# Altium PCB RTM_4SFP_3QSFP.PcbDoc (part 2 of 4)
Units mm, origin at the board's own origin, x right, y up, seen from the top; angles counter-clockwise.
Board outline 182.55 x 148.55 mm, 4 copper layers (L1, P2, P3, L4), stack 1.58 mm thick; 277 components, 253 nets, 1307 pads, 553 vias.
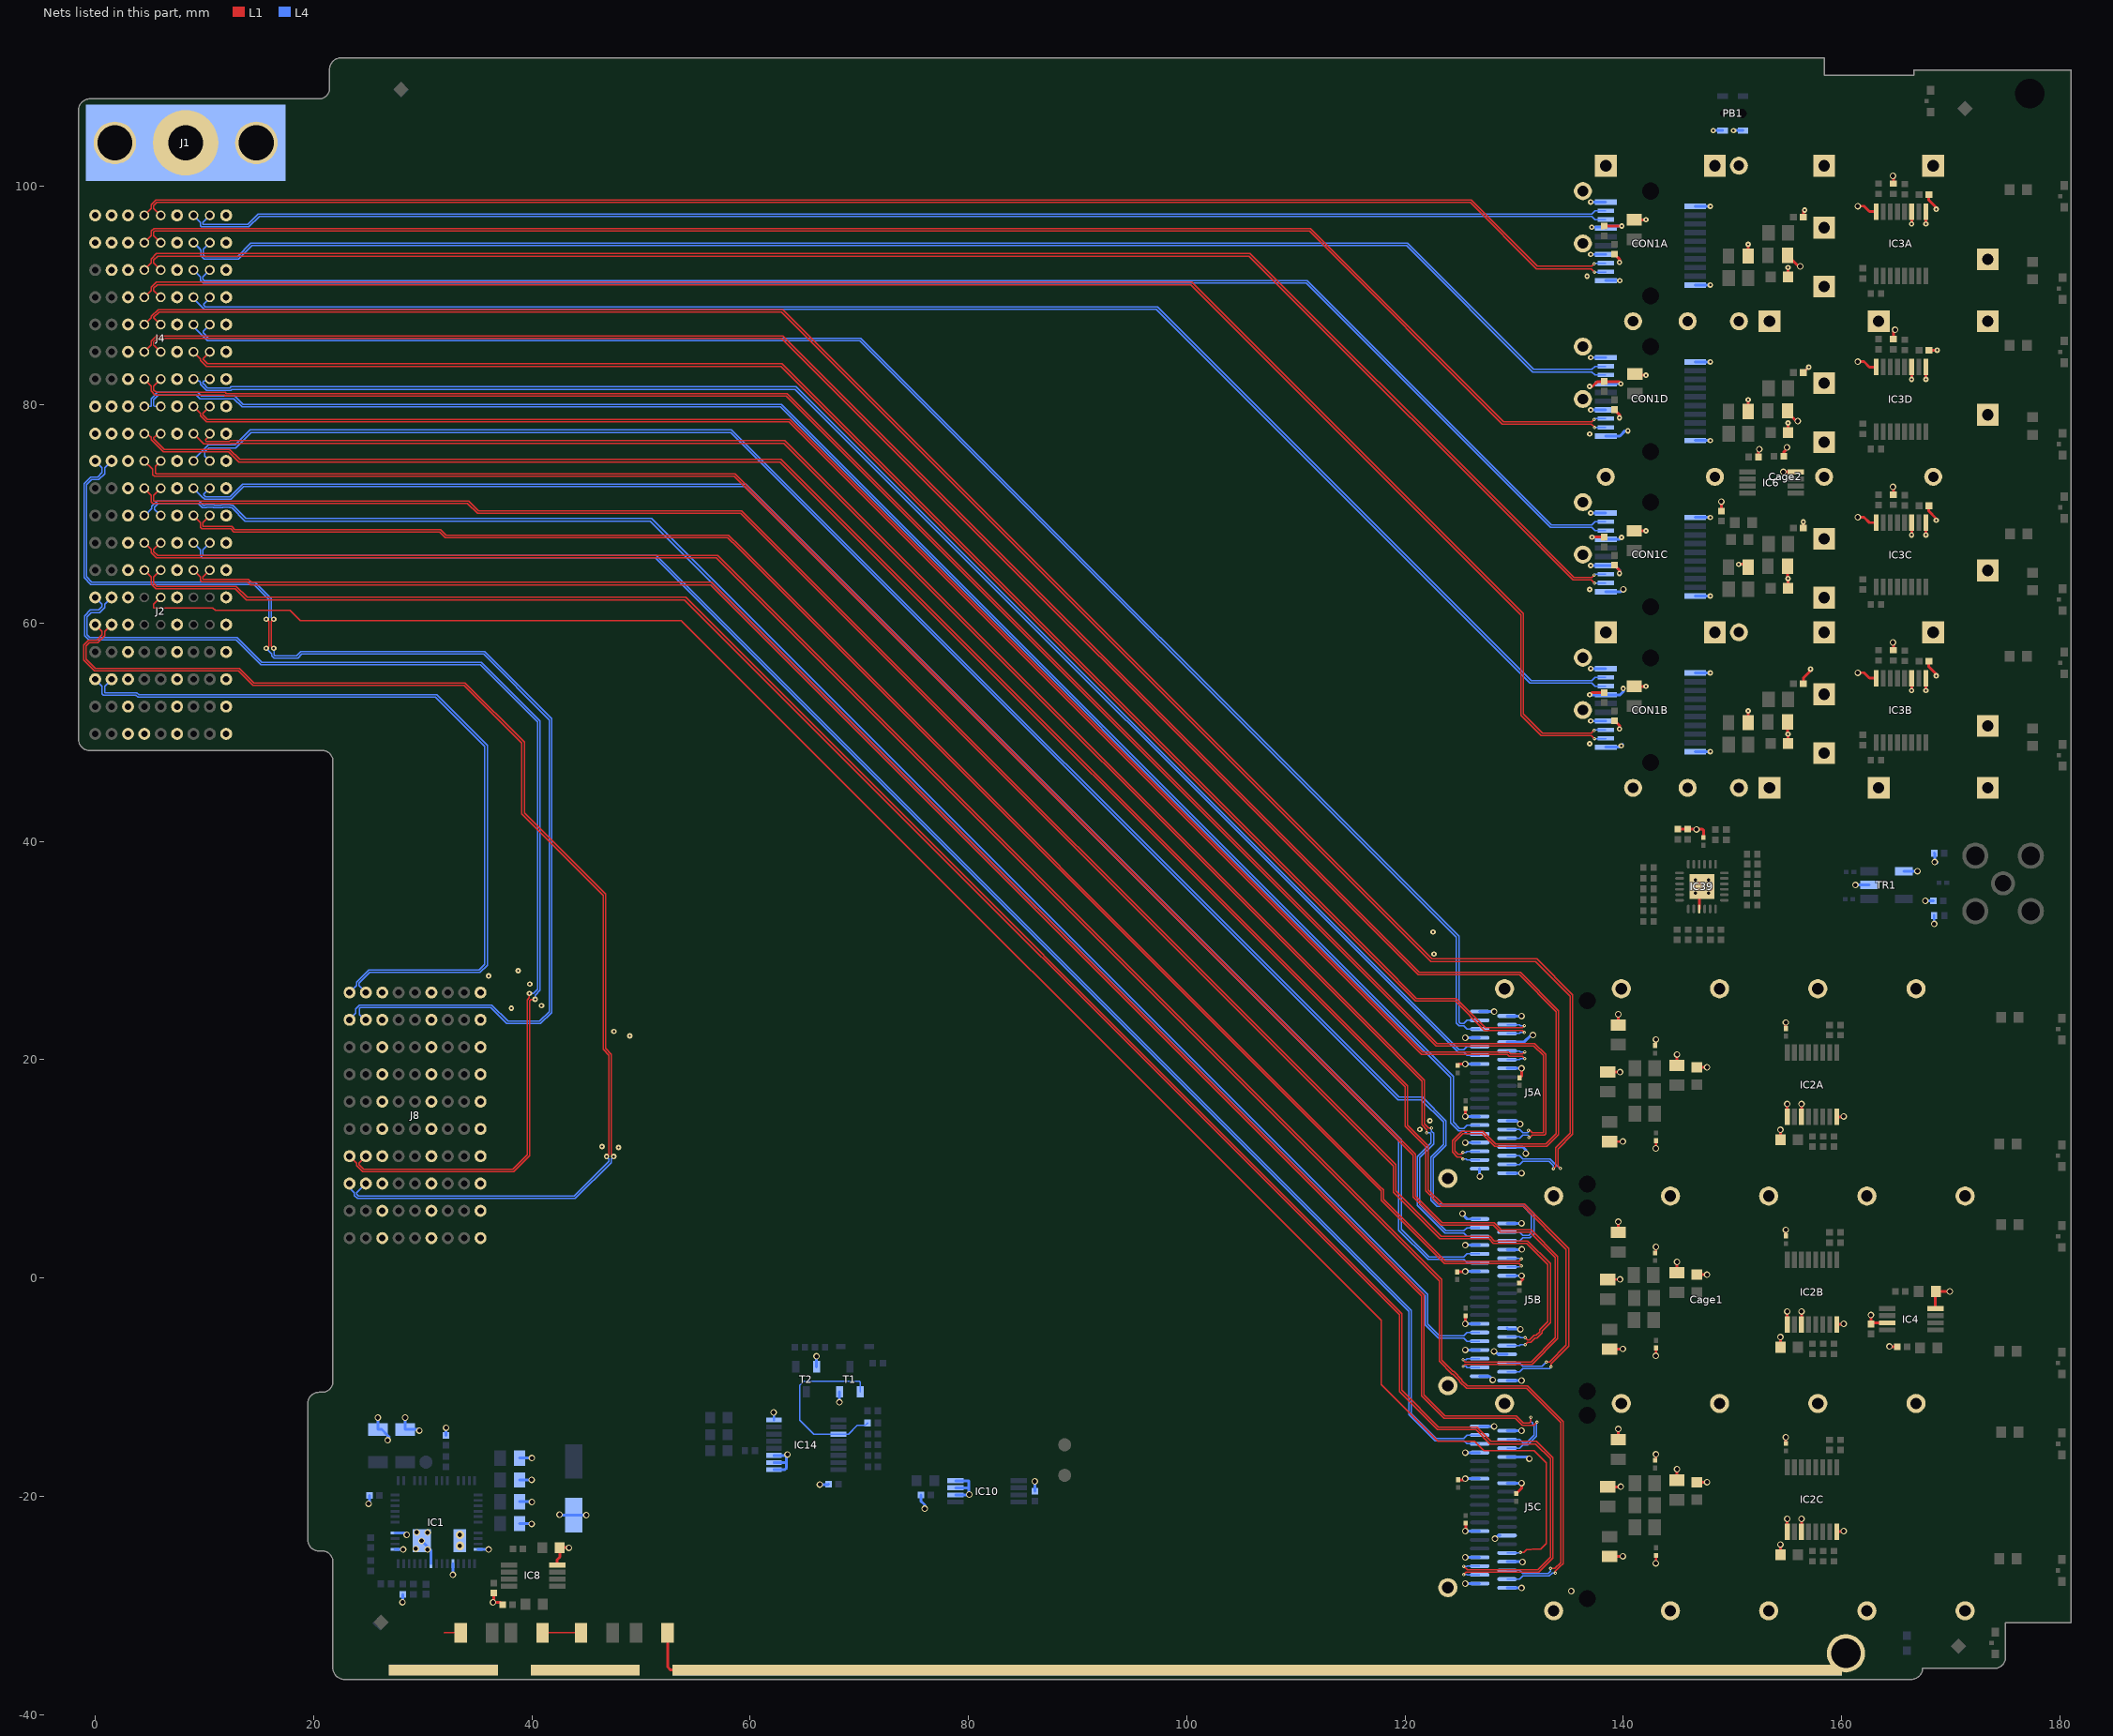
[diagram p4: the nets of this part, all layers, seen from the top]

## Footprints (in the part's own frame and the unit in brackets; to place one, negate y for a bottom-side part, rotate by r counter-clockwise, add the part's x,y. Pads: shape width x height; smd on the part's side, far side on the other; paste and mask are expansions set on the pad) (continued)
TYCO_6469183-1#2 [mm] "60 Positions, Pitch 2.5mm,  Advanced TCA, Z-PACK HM-Zd BackPlane Press Fit Header"
  round 1.1 hole 0.6: A1(6,-11.25) A2(6,-8.75) A3(6,-6.25) A4(6,-3.75) A5(6,-1.25) A6(6,1.25) A7(6,3.75) A8(6,6.25) A9(6,8.75) A10(6,11.25) B1(4.5,-11.25) B2(4.5,-8.75) B3(4.5,-6.25) B4(4.5,-3.75) B5(4.5,-1.25) B6(4.5,1.25) B7(4.5,3.75) B8(4.5,6.25) B9(4.5,8.75) B10(4.5,11.25) BG1(3,-11.25) BG2(3,-8.75) BG3(3,-6.25) BG4(3,-3.75) BG5(3,-1.25) BG6(3,1.25) BG7(3,3.75) BG8(3,6.25) BG9(3,8.75) BG10(3,11.25) DG1(-1.5,-11.25) DG2(-1.5,-8.75) DG3(-1.5,-6.25) DG4(-1.5,-3.75) DG5(-1.5,-1.25) DG6(-1.5,1.25) DG7(-1.5,3.75) DG8(-1.5,6.25) DG9(-1.5,8.75) DG10(-1.5,11.25) FG1(-6,-11.25) FG2(-6,-8.75) FG3(-6,-6.25) FG4(-6,-3.75) FG5(-6,-1.25) FG6(-6,1.25) FG7(-6,3.75) FG8(-6,6.25) FG9(-6,8.75) FG10(-6,11.25)
  round 0.9 hole 0.6: C1(1.5,-11.25) C2(1.5,-8.75) C3(1.5,-6.25) C4(1.5,-3.75) C5(1.5,-1.25) C6(1.5,1.25) C7(1.5,3.75) C8(1.5,6.25) C9(1.5,8.75) C10(1.5,11.25) D1(0,-11.25) D2(0,-8.75) D3(0,-6.25) D4(0,-3.75) D5(0,-1.25) D6(0,1.25) D7(0,3.75) D8(0,6.25) D9(0,8.75) D10(0,11.25) E1(-3,-11.25) E2(-3,-8.75) E3(-3,-6.25) E4(-3,-3.75) E5(-3,-1.25) E6(-3,1.25) E7(-3,3.75) E8(-3,6.25) E9(-3,8.75) E10(-3,11.25) F1(-4.5,-11.25) F2(-4.5,-8.75) F3(-4.5,-6.25) F4(-4.5,-3.75) F5(-4.5,-1.25) F6(-4.5,1.25) F7(-4.5,3.75) F8(-4.5,6.25) F9(-4.5,8.75) F10(-4.5,11.25)
  silkscreen extent -6.65,-12 23.35,12.9, body extent -6.65,-12 23.35,12.9, height 13.31
XFMR_MINI-CIRCUITS_AT1521 [mm] "MINI-CIRCUITS RF Transformer, Case AT1521, Body 3.81X3.81mm"
  rect 0.76x1.65 smd: 1(-1.27,1.59) 2(0,1.59) 3(1.27,1.59) 4(1.27,-1.59) 6(-1.27,-1.59)
  silkscreen extent -2.3,-0.36 1.91,1.72, body extent -1.9,-1.9 1.91,1.91, height 4.06

## Part data
C1 C2 C3 C4 C12A C12B C12C C12D C14A C14B C14C C14D C23A C23B C23C C23D C33A C33B C33C C35A C35B C35C C41A C41B C41C C43A C43B C43C: library part CC0805_10UF_10V_10%_X7R, "Non-polarised capacitor", Case=0805, Manufacturer=GENERIC, Manufacturer1 ComponentHeight=1.35mm, Manufacturer1 Example=MURATA, Manufacturer1 Part Number=GRM21BR71A106KE51L, Tolerance=±10%, Voltage=10V, Author="CERN DEM JLC", Component Type=Standard, CreateDate=2012-04-30, HelpURL=\\cern.ch\dfs\Applications\Altium\Datasheets\CC0805_X7R_MURATA.pdf, LatestRevisionDate=2012-04-30, Manufacturer Part Number=CC0805_10UF_10V_10%_X7R, Mounted=Yes, Part Description="SMD Multilayer Chip Ceramic Capacitor", Part Number=CC0805_10UF_10V_10%_X7R, Pin Count=2, SMD=Yes, Socket=No, Status=Preferred, Table="Capacitors SMD", TC=X7R
C5: library part CAE660-540_100UF_16V_20%, "Polarised capacitor", Case=D, Manufacturer=PANASONIC, Manufacturer Part Number=EEEFK1C101AP, Tolerance=±20%, Voltage=16V, Author="CERN DEM JLC", ComponentHeight=5.8mm, Component Type=Standard, CreateDate=03.12.2007, HelpURL=\\cern.ch\dfs\Applications\Altium\Datasheets\CAE_PANASONIC_FK.pdf, LatestRevisionDate=05.11.2014, Mounted=Yes, Part Description="Aluminum Electrolytic SMT Capacitor", Part Number=CAE660-540_100UF_16V_20%, Pin Count=2, Sense=No, SMD=Yes, Socket=No, Status="Not Recommended"
C6 C7: library part CC1206_10UF_16V_10%_X7R, "Non-polarised capacitor", Case=1206, Manufacturer=GENERIC, Manufacturer1 ComponentHeight=1.8mm, Manufacturer1 Example=KEMET, Manufacturer1 Part Number=C1206C106K4RAC, Manufacturer Part Number=CC1206_10uF_16V_10%_X7R, Tolerance=±10%, Voltage=16V, Author="CERN DEM JLC", Component Type=Standard, CreateDate=2009-04-28, HelpURL=\\cern.ch\dfs\Applications\Altium\Datasheets\CC1206_X7R_KEMET.pdf, LatestRevisionDate=2009-04-28, Mounted=Yes, Part Description="SMD Multilayer Chip Ceramic Capacitor", Part Number=CC1206_10UF_16V_10%_X7R, Pin Count=2, SMD=Yes, Socket=No, Status=Preferred, Table="Capacitors SMD", TC=X7R
C8 C10 C13A C13B C13C C13D C20A C20B C20C C20D C22A C22B C22C C22D C24A C24B C24C C24D: library part CC0402_100NF_16V_10%_X5R, "Non-polarised capacitor", Case=0402, Manufacturer=GENERIC, Manufacturer1 ComponentHeight=0.55mm, Manufacturer1 Example=MURATA, Manufacturer1 Part Number=GRM155R61C104KA88D, Tolerance=±10%, Voltage=16V, Author="CERN DEM JLC", Component Type=Standard, HelpURL=\\cern.ch\dfs\Applications\Altium\Datasheets\CC0402_X5R_MURATA_GRM.pdf, Manufacturer Part Number=CC0402_100NF_16V_10%_X5R, Mounted=Yes, Part Description="SMD Multilayer Chip Ceramic Capacitor", Part Number=CC0402_100NF_16V_10%_X5R, Pin Count=2, SMD=Yes, Socket=No, Status=None, TC=X5R
  C8 C10: CreateDate=2013-12-10, LatestRevisionDate=2013-12-10, Table="Capacitors SMD"
  C13A C13B C13C C13D C20A C20B C20C C20D C22A C22B C22C C22D C24A C24B C24C C24D: CreateDate=10.12.2013, LatestRevisionDate=10.12.2013, Sense=No
C9: library part CC0402_1NF_50V_10%_X7R, "Non-polarised capacitor", Case=0402, Manufacturer=GENERIC, Manufacturer1 ComponentHeight=0.55mm, Manufacturer1 Example=PHYCOMP, Manufacturer1 Part Number=223858715623, Tolerance=±10%, Voltage=50V, Author="CERN DEM JLC", Component Type=Standard, CreateDate=03.12.2007, HelpURL=\\cern.ch\dfs\Applications\Altium\Datasheets\CC0402_X7R_PHYCOMP.pdf, LatestRevisionDate=03.12.2007, Manufacturer Part Number=CC0402_1NF_50V_10%_X7R, Mounted=Yes, Part Description="SMD Multilayer Chip Ceramic Capacitor", Part Number=CC0402_1NF_50V_10%_X7R, Pin Count=2, Sense=No, SMD=Yes, Socket=No, Status="Not Recommended", TC=X7R
C11: library part CC0402_12PF_50V_5%_C0G, "Non-polarised capacitor", Case=0402, Manufacturer=GENERIC, Manufacturer1 ComponentHeight=0.55mm, Manufacturer1 Example=KEMET, Manufacturer1 Part Number=C0402C120J5GACTU, Tolerance=±5%, Voltage=50V, Author="CERN DEM JLC", Component Type=Standard, CreateDate=04.10.2016, HelpURL="\\cern.ch\dfs\Applications\Altium\Datasheets\CC0805_C0G_KEMET_(Commercial Grade).pdf", LatestRevisionDate=04.10.2016, Manufacturer Part Number=CC0402_12PF_50V_5%_C0G, Mounted=Yes, Part Description="SMD Multilayer Chip Ceramic Capacitor", Part Number=CC0402_12PF_50V_5%_C0G, Pin Count=2, Sense=No, SMD=Yes, Socket=No, Status=Preferred, TC=C0G/NP0
C15A C15B C15C C15D C36A C36B C36C C37A C37B C37C: library part CC0603_1UF_25V_10%_X7R, "Non-polarised capacitor", Case=0603, Manufacturer=GENERIC, Manufacturer1 ComponentHeight=0.9mm, Manufacturer1 Example=MURATA, Manufacturer1 Part Number=GRM188R71E105KA12D, Tolerance=±10%, Voltage=25V, Author="CERN DEM JLC", Component Type=Standard, CreateDate=2011-01-18, HelpURL=\\cern.ch\dfs\Applications\Altium\Datasheets\CC0603_X7R_MURATA.pdf, LatestRevisionDate=2011-01-18, Manufacturer Part Number=CC0603_1UF_25V_10%_X7R, Mounted=Yes, Part Description="SMD Multilayer Chip Ceramic Capacitor", Part Number=CC0603_1UF_25V_10%_X7R, Pin Count=2, SMD=Yes, Socket=No, Status=None, Table="Capacitors SMD", TC=X7R
C16 C17 C28 C34A C34B C34C C38A C38B C38C C39A C39B C39C C40A C40B C40C C42A C42B C42C C44A C44B C44C C402: library part CC0201_100NF_6.3V_10%_X5R, "Non-polarised capacitor", Case=0201, Manufacturer=GENERIC, Manufacturer1 ComponentHeight=0.33mm, Manufacturer1 Example=AVX, Manufacturer1 Part Number=02016D104KAT2A, Tolerance=±10%, Voltage=6.3V, Author="CERN DEM JLC", Component Type=Standard, CreateDate=2007-12-03, HelpURL=\\cern.ch\dfs\Applications\Altium\Datasheets\CC0201_X5R_AVX.pdf, LatestRevisionDate=2007-12-03, Manufacturer Part Number=CC0201_100NF_6.3V_10%_X5R, Mounted=Yes, Part Description="SMD Multilayer Chip Ceramic Capacitor", Part Number=CC0201_100NF_6.3V_10%_X5R, Pin Count=2, SMD=Yes, Socket=No, Status="Not Recommended", TC=X5R
  C16 C17 C28: Sense=No
  C34A C34B C34C C38A C38B C38C C39A C39B C39C C40A C40B C40C C42A C42B C42C C44A C44B C44C C402: Table="Capacitors SMD"
C18 C19: library part CC0402_10NF_16V_10%_X7R, "Non-polarised capacitor", Case=0402, Manufacturer=GENERIC, Manufacturer1 ComponentHeight=0.55mm, Manufacturer1 Example=PHYCOMP, Manufacturer1 Part Number=223878715636, Tolerance=±10%, Voltage=16V, Author="CERN DEM JLC", Component Type=Standard, CreateDate=03.12.2007, HelpURL=\\cern.ch\dfs\Applications\Altium\Datasheets\CC0402_X7R_PHYCOMP.pdf, LatestRevisionDate=03.12.2007, Manufacturer Part Number=CC0402_10NF_16V_10%_X7R, Mounted=Yes, Part Description="SMD Multilayer Chip Ceramic Capacitor", Part Number=CC0402_10NF_16V_10%_X7R, Pin Count=2, Sense=No, SMD=Yes, Socket=No, Status="Not Recommended", TC=X7R
C21 C25 C26 C27 C29: library part CC0402_100NF_16V_10%_X7R, "Non-polarised capacitor", Case=0402, Manufacturer=GENERIC, Manufacturer1 ComponentHeight=0.55mm, Manufacturer1 Example=PHYCOMP, Manufacturer1 Part Number=223878715649, Tolerance=±10%, Voltage=16V, Author="CERN DEM JLC", Component Type=Standard, CreateDate=12/3/2007, HelpURL=\\cern.ch\dfs\Applications\Altium\Datasheets\CC0402_X7R_PHYCOMP.pdf, LatestRevisionDate=12/3/2007, Manufacturer Part Number=CC0402_100NF_16V_10%_X7R, Mounted=Yes, Part Description="SMD Multilayer Chip Ceramic Capacitor", Part Number=CC0402_100NF_16V_10%_X7R, Pin Count=2, SMD=Yes, Socket=No, Status="Not Recommended", Table="Capacitors SMD", TC=X7R
Cage1: library part TYCO_2170737-1, "QSFP+ 1x3 Cage (23Pins)", Manufacturer="TYCO ELECTRONICS", Manufacturer Part Number=2170737-1, Author="CERN DEM JLC", ComponentHeight=9.65mm, Component Type=Standard, CreateDate=29.05.2018, Family=zQSFP+, HelpURL=\\cern.ch\dfs\Applications\Altium\Datasheets\TYCO_2170737-1.pdf, LatestRevisionDate=29.05.2018, Mounted=Yes, Part Description="1x3 Press Fit zQSFP+/QSFP28 Cage (Quad Small Form-factor Pluggable), Internal/External EMI Springs", Part Number=TYCO_2170737-1, Pin Count=23, PressFit=Yes, Sense=No, SMD=No, Socket=No, Status=None
Cage2: library part TYCO_2007132-1, "SFP+  1x4 Cage (46 Pins)", Manufacturer="TYCO ELECTRONICS", Manufacturer Part Number=2007132-1, Author="CERN DEM JLC", ComponentHeight=9.7mm, Component Type=Standard, CreateDate=2013-06-04, Family=SFP+, HelpURL=\\cern.ch\dfs\Applications\Altium\Datasheets\TYCO_2007132-1.pdf, LatestRevisionDate=2013-06-12, Mounted=Yes, Part Description="1x4 Press Fit Cage For Use with SFP+ Connector (Small Form-factor Pluggable)", Part Number=TYCO_2007132-1, Pin Count=46, SMD=No, Socket=No, Status=None, Table=TYCO
CON1A CON1B CON1C CON1D: library part TYCO_1888247-1, "20 Position SFP+ Connector (Small Form-factor Pluggable)", Manufacturer="TYCO ELECTRONICS", Author="CERN DEM JLC", ComponentHeight=5.4mm, Component Type=Standard, CreateDate=2012-02-27, Family=SFP+, HelpURL=\\cern.ch\dfs\Applications\Altium\Datasheets\TYCO_1888247-1.pdf, LatestRevisionDate=2012-02-27, Manufacturer Part Number=1888247-1, Mounted=Yes, Part Description="20 Position, Pitch 0.8mm SFP+  Receptacle (Small Form-factor Pluggable)", Part Number=TYCO_1888247-1, Pin Count=20, SMD=Yes, Socket=No, Status=None, Table=TYCO
D1: "Schottky Diode", Case=SOD323, Manufacturer=INFINEON, Power=750mA, Voltage=40V, Author="CERN DEM JLC", Bonding=No, ComponentHeight=1.1mm, Component Type=Standard, CreateDate=12.11.2014, Device=BAT165, HelpURL=\\cern.ch\dfs\Applications\Altium\Datasheets\BAT165.pdf, LatestRevisionDate=12.11.2014, Manufacturer Part Number=BAT165, Mounted=Yes, PackageDescription="Small Outline Diode (SOD-323), 1.70mm W X 1.25mm L X 1.10mm H body,  IPC Medium Density", Part Description="Medium Power AF Schottky Diode", Part Number=BAT165, Pin Count=2, PressFit=No, Sense=No, SMD=Yes, Socket=No
FB1A FB1B FB1C FB1D FB2A FB2B FB2C FB3A FB3B FB3C FB4A FB4B FB4C FB5A FB5B FB5C FB5D: library part IND0805_MURATA_BLM21PG221SN1D, "Inductor", Case=0805, Manufacturer=MURATA, Manufacturer Part Number=BLM21PG221SN1D, Power=2A, Resistance=0.05R, Tolerance=±25%, Author="CERN DEM JLC", ComponentHeight=1.05mm, Component Type=Standard, CreateDate=2010-01-25, HelpURL=\\cern.ch\dfs\Applications\Altium\Datasheets\IND0402_MURATA_BLM21P.pdf, LatestRevisionDate=2010-01-25, Mounted=Yes, Part Description="SMD EMIFIL Suppression Chip Ferrite Bead", Part Number=IND0805_MURATA_BLM21PG221SN1D, Pin Count=2, SMD=Yes, Socket=No, Status=None, Table="Inductors SMD"
FP1: "RTM Frontpanel"
FTG1 FTG2 FTG3 FTG4 FTG5 FTG6 FTG7 FTG8: library part FIDUCIAL_TARGET_S100-200, "Fiducial Target", Author="CERN DEM JLC", ComponentHeight=0mm, Component Type="Standard (No BOM)", Family=Fiducial, Mounted=No, PackageDescription="Square Fiducial Target, Top Layer, 1.0mm, Top Solder 2.0mm, Keepout =2.0mm", Part Description="Square Fiducial Target, Top Layer, 1.0mm, Top Solder 2.0mm, Keepout =2.0mm", Part Number=FIDUCIAL_TARGET_S100-200, Pin Count=1, SMD=Yes, Socket=No, Status=None
  FTG1 FTG3 FTG5 FTG7: CreateDate=2010-02-09, LatestRevisionDate=2012-04-04, Table=Pads
  FTG2 FTG4 FTG6 FTG8: CreateDate=09.02.2010, HelpURL=Undefined, LatestRevisionDate=04.04.2012, Sense=No
IC1: "0.8V to 85% PVIN (4.75-19V), 6A Synchronous Step-Down Regulator Module", Manufacturer="MICROCHIP TECHNOLOGY", Author="CERN DEM JMW", Bonding=No, ComponentHeight=3mm, Component Type=Standard, CreateDate=15.08.2016, Device=MIC45116-1YMP, HelpURL=\\cern.ch\dfs\Applications\Altium\Datasheets\MIC45116-1YMP.pdf, LatestRevisionDate=15.08.2016, Manufacturer Part Number=MIC45116-1YMP, Mounted=Yes, PackageDescription="MICROCHIP_H3QFN88-52LD-PL-3, 0.50mm Pitch, Square, 52 Pin, 8mm L X 8mm W X 3mm H Body", Part Description="0.8V to 85% PVIN (4.75-19V), 6A Synchronous Step-Down Regulator Module", Part Number=MIC45116-1YMP, Pin Count=53, PressFit=No, Sense=No, SMD=Yes, Socket=No
IC2A IC2B IC2C IC3A IC3B IC3C IC3D: "8-Bit I2C-Bus and SMBus Low Power I/O Port with Interrupt", Case=SSOP16, Manufacturer="ANALOG DEVICES", Author="CERN DEM JLC", Bonding=No, ComponentHeight=1.1mm, Component Type=Standard, CreateDate=2013-12-18, Device=PCA9534PW, HelpURL=\\cern.ch\dfs\Applications\Altium\Datasheets\PCA9534PW.pdf, LatestRevisionDate=2013-12-18, Manufacturer Part Number=PCA9534PW, Mounted=Yes, PackageDescription="SOP, 0.65mm pitch; 16 pin, 4.40mm W X 5.00mm L X 1.10mm H body IPC Medium Density", Part Description="8-Bit I2C-Bus and SMBus Low Power I/O Port with Interrupt", Part Number=PCA9534PW, Pin Count=16, PressFit=No, SMD=Yes, Socket=No, Table="Analog & Interface"
IC4 IC6 IC8: "Digital Temperature Sensor and Thermal Watchdog with Two-Wire Interface", Case=SSOP8, Manufacturer="TEXAS INSTRUMENTS", Author="CERN DEM JLC", Bonding=No, ComponentHeight=1.09mm, Component Type=Standard, CreateDate=15.10.2012, Device=LM75AIMM/NOPB, HelpURL=\\cern.ch\dfs\Applications\Altium\Datasheets\LM75AIMM-NOPB.pdf, LatestRevisionDate=15.10.2012, Manufacturer Part Number=LM75AIMM/NOPB, Mounted=Yes, PackageDescription="SOP, 0.65mm pitch; 8 pin,3.00mm W X 3.00mm L X 1.09mm H bodyI, PC Medium Density", Part Description="-25° to +100°C ±2°C Digital Temperature Sensor and Thermal Watchdog with Two-Wire Interface", Part Number=LM75AIMM/NOPB, Pin Count=8, PressFit=No, Sense=No, SMD=Yes, Socket=No
IC10: "1.7V to 5.5V, I2C-Compatible (2-wire) 2-Kbit (256 x 8) Serial EEPROM", Case=TSSOP8, Manufacturer=ATMEL, Author="CERN DEM MR", Bonding=No, ComponentHeight=1.2mm, Component Type=Standard, CreateDate=09.03.2016, Device=AT24MAC402-XHM, HelpURL=\\cern.ch\dfs\Applications\Altium\Datasheets\AT24MAC402-XHM.pdf, LatestRevisionDate=09.11.2016, Manufacturer Part Number=AT24MAC402-XHM, Mounted=Yes, PackageDescription="SOP, 0.65mm pitch; 8 pin, 4.40mm W X 3.00mm L X 1.20mm H body, IPC Medium Density", Part Description="1.7V to 5.5V, I2C-Compatible (2-wire) 2-Kbit (256 x 8) Serial EEPROM with a EUI-48 Address", Part Number=AT24MAC402-XHM, Pin Count=8, PressFit=No, Sense=No, SMD=Yes, Socket=No
IC14: library part PCA9554D, "8-bit I2C-bus SMBus I/O port with interrupt", Manufacturer1="NXP Semiconductors", Manufacturer1 PN=PCA9554D,112, Distributor1=Digikey, Distributor1 PN=568-1053-5-ND
IC39: library part IIC_MUX_MAX7357ETG+, "8-channel I2C-bus multiplexer with reset, INT and timeout"
J1: library part TYCO_1469265-1, "Single Pin Male", Part Number=TYCO_1469265-1
J2 J4: library part TYCO_6469183-1, "Connector 60 ATCA Male 30 Pairs (60 Signals) + 3x10 Ground", Manufacturer="TYCO ELECTRONICS", Manufacturer Part Number=6469183-1, Author="CERN DEM JLC", ComponentHeight=13.31mm, Component Type=Standard, CreateDate=28.08.2013, Family="Advanced TCA", HelpURL=\\cern.ch\dfs\Applications\Altium\Datasheets\TYCO_6469183-1.pdf, LatestRevisionDate=28.08.2013, Mounted=Yes, Part Description="60 Positions, Pitch 2.5mm,  Advanced TCA, Z-PACK HM-Zd Right Angle Press Fit Header", Part Number=TYCO_6469183-1, Pin Count=90, PressFit=Yes, Sense=No, SMD=No, Socket=No, Status=None
J3: library part AMPHENOL_132203, Manufacturer=AMPHENOL, Manufacturer Part Number=132203, Author="CERN DEM MR", ClassName=Connectors, ComponentHeight=10.44mm, Component Type=Standard, CreateDate=2016-10-06, Family=SMA, HelpURL=\\cern.ch\dfs\Applications\Altium\Datasheets\AMPHENOL_132203.pdf, LatestRevisionDate=2016-10-06, Mounted=Yes, Part Description="50 Ohm Through Hole SMA Right Angle PCB Jack", Part Number=AMPHENOL_132203, Pin Count=5, PressFit=No, Sense=No, SMD=No, Socket=No, Status=None
J5A J5B J5C: library part TYCO_1551920-2, "38Position QSFP Connector  (Quad Small Form-factor Pluggable)", Manufacturer="TYCO ELECTRONICS", Manufacturer Part Number=1551920-2, Author="CERN DEM JLC", ComponentHeight=6.1mm, Component Type=Standard, CreateDate=24.05.2018, Family=zQSFP+, HelpURL=\\cern.ch\dfs\Applications\Altium\Datasheets\TYCO_1551920-2.pdf, LatestRevisionDate=24.05.2018, Mounted=Yes, Part Description="38 Positions, Pitch 0.8mm zSFP+ Receptacle (Small Form-factor Pluggable)", Part Number=TYCO_1551920-2, Pin Count=38, PressFit=No, Sense=No, SMD=No, Socket=No, Status=None
J8: library part ERNI_973028, "90 Contacts, 6 Rows  (a,b,c,d,e,f) of 10 positions + 3 Shield Rows (ab, cd, ef) of 10 Positions, Pitch 2.5 mm,  Press-Fit, Right Angle ERmet ZD High Speed Differential Hard Metric Female Connector", Manufacturer=ERNI, Manufacturer Part Number=973028, Author="CERN DEM JLC", ComponentHeight=16.9mm, Component Type=Standard, CreateDate=18.04.2012, Family="Hard Metric Type ZD", HelpURL=\\cern.ch\dfs\Applications\Altium\Datasheets\ERNI_973028.pdf, LatestRevisionDate=18.04.2012, Mounted=Yes, Part Description="90 Contacts (10x3 Pairs Signal Contacts + 3x10 Ground Contacts), Pitch 2.5mm, Press-Fit, Right Angle Ermet ZD High Speed Differential Hard Metric Female Connector", Part Number=ERNI_973028, Pin Count=90, PressFit=Yes, Sense=No, SMD=No, Socket=No, Status=None
LD1A LD1B LD1C LD3A LD3B LD3C LD3D: "LED Green 1C 2A", Color=Green, Manufacturer="AVAGO TECHNOLOGIES", Manufacturer Part Number=HSME-C120, Author="CERN DEM JMW", ComponentHeight=0.7mm, ComponentLink1Description="Design Guide", ComponentLink1URL=\\cern.ch\dfs\Applications\Altium\Datasheets\LED_AVAGO_HSME-C110_DESIGN-GUIDE.pdf, Component Type=Standard, CreateDate=2009-07-22, HelpURL=\\cern.ch\dfs\Applications\Altium\Datasheets\LED_AVAGO_HSME-C120.pdf, LatestRevisionDate=2012-06-20, Mounted=Yes, PackageDescription="Green Chip LED, 2-Leads, Body 1.7x1.1mm, Side Emitting Package", Part Description="High Performance Right Angle Chip Green LED", Part Number=LED_AVAGO_HSME-C120, Pin Count=2, SMD=Yes, Socket=No, Table="LEDs & Displays"
LD2A LD2B LD2C LD4A LD4B LD4C LD4D: "LED Red Avago C120", Manufacturer="AVAGO TECHNOLOGIES", Manufacturer Part Number=HSMC-C120, Part Number=LED_AVAGO_HSMC-C120, Author="CERN DEM JMW", Color=Red, ComponentHeight=0.7mm, ComponentLink1Description="Design Guide", ComponentLink1URL=\\cern.ch\dfs\Applications\Altium\Datasheets\LED_AVAGO_HSME-C110_DESIGN-GUIDE.pdf, Component Type=Standard, CreateDate=2009-07-22, HelpURL=\\cern.ch\dfs\Applications\Altium\Datasheets\LED_AVAGO_HSME-C120.pdf, LatestRevisionDate=2012-06-20, Mounted=Yes, PackageDescription="Red Chip LED, 2-Leads, Body 1.7x1.1mm, Side Emitting Package", Part Description="High Performance Right Angle Chip Red LED", Pin Count=2, SMD=Yes, Socket=No, Table="LEDs & Displays"
LDx: "LED Green Avago C120", Manufacturer="AVAGO TECHNOLOGIES", Manufacturer Part Number=HSME-C120, Part Number=LED_AVAGO_HSME-C120, Author="CERN DEM JMW", Color=Green, ComponentHeight=0.7mm, ComponentLink1Description="Design Guide", ComponentLink1URL=\\cern.ch\dfs\Applications\Altium\Datasheets\LED_AVAGO_HSME-C110_DESIGN-GUIDE.pdf, Component Type=Standard, CreateDate=2009-07-22, HelpURL=\\cern.ch\dfs\Applications\Altium\Datasheets\LED_AVAGO_HSME-C120.pdf, LatestRevisionDate=2012-06-20, Mounted=Yes, PackageDescription="Green Chip LED, 2-Leads, Body 1.7x1.1mm, Side Emitting Package", Part Description="High Performance Right Angle Chip Green LED", Pin Count=2, SMD=Yes, Socket=No, Table="LEDs & Displays"
LDy: "LED Blue Avago C120", Manufacturer="AVAGO TECHNOLOGIES", Manufacturer Part Number=HSMR-C120, Part Number=LED_AVAGO_HSMR-C120, Author="CERN DEM JMW", Color=Blue, ComponentHeight=0.7mm, ComponentLink1Description="Design Guide", ComponentLink1URL=\\cern.ch\dfs\Applications\Altium\Datasheets\LED_AVAGO_HSME-C110_DESIGN-GUIDE.pdf, Component Type=Standard, CreateDate=2009-07-22, HelpURL=\\cern.ch\dfs\Applications\Altium\Datasheets\LED_AVAGO_HSME-C120.pdf, LatestRevisionDate=2012-06-20, Mounted=Yes, PackageDescription="Blue Chip LED, 2-Leads, Body 1.7x1.1mm, Side Emitting Package", Part Description="High Performance Right Angle Chip Blue LED", Pin Count=2, SMD=Yes, Socket=No, Table="LEDs & Displays"
LED17: library part LED_0603R, "LED 0603 red", Supplier Part Number 1=22M3004, Supplier 1=Newark, Supplier 2=Newark, Supplier Part Number 2=20M0618
PB1: library part SW_C&K_HDT0001, "Push-Button Switch SPDT", Manufacturer=C&K, Manufacturer Part Number=HDT0001, Author="CERN DEM JLC", ComponentHeight=3.35mm, Component Type=Standard, CreateDate=2012-08-15, Family="Push Button", HelpURL=\\cern.ch\dfs\Applications\Altium\Datasheets\SW_C&K_HDT0001.pdf, LatestRevisionDate=2012-08-15, Mounted=Yes, PackageDescription="Body 3.5x2.8mm, Micro Mini Surface Mount Detect Switches, HDT Serie", Part Description="5VDC 1mA SPST-NO Micro Mini Surface Surface Mount Detect Push-Button Switch, HDT Serie", Part Number=SW_C&K_HDT0001, Pin Count=4, SMD=Yes, Socket=No, Status=None, Table=Switches
R1: library part R0402_7K5_1%_0.0625W_100PPM, "Resistor - 1%", Case=0402, Manufacturer=GENERIC, Manufacturer1 ComponentHeight=0.4mm, Manufacturer1 Example="YAGEO PHYCOMP", Manufacturer1 Part Number=232270677502L, Power=0.0625W, Tolerance=±1%, Author="CERN DEM JLC", Component Type=Standard, CreateDate=03.12.2007, HelpURL=\\cern.ch\dfs\Applications\Altium\Datasheets\R0402_Phycomp_RC0402.pdf, LatestRevisionDate=17.10.2012, Manufacturer Part Number=R0402_7K5_1%_0.0625W_100PPM, Mounted=Yes, Part Description="General Purpose Thick Film Chip Resistor", Part Number=R0402_7K5_1%_0.0625W_100PPM, Pin Count=2, PressFit=No, Sense=No, SMD=Yes, Socket=No, Status="Not Recommended", TC=±100ppm/°C
R2: library part R0402_100K_1%_0.0625W_100PPM, "Resistor - 1%", Case=0402, Manufacturer=GENERIC, Manufacturer1 ComponentHeight=0.4mm, Manufacturer1 Example="YAGEO PHYCOMP", Manufacturer1 Part Number=232270671004L, Power=0.0625W, Tolerance=±1%, Author="CERN DEM JLC", Component Type=Standard, CreateDate=03.12.2007, HelpURL=\\cern.ch\dfs\Applications\Altium\Datasheets\R0402_Phycomp_RC0402.pdf, LatestRevisionDate=17.10.2012, Manufacturer Part Number=R0402_100K_1%_0.0625W_100PPM, Mounted=Yes, Part Description="General Purpose Thick Film Chip Resistor", Part Number=R0402_100K_1%_0.0625W_100PPM, Pin Count=2, PressFit=No, Sense=No, SMD=Yes, Socket=No, Status="Not Recommended", TC=±100ppm/°C
R3: library part R0402_2K4_1%_0.0625W_100PPM, "Resistor - 1%", Case=0402, Manufacturer=GENERIC, Manufacturer1 ComponentHeight=0.4mm, Manufacturer1 Example="YAGEO PHYCOMP", Manufacturer1 Part Number=232270672402L, Power=0.0625W, Tolerance=±1%, Author="CERN DEM JLC", Component Type=Standard, CreateDate=03.12.2007, HelpURL=\\cern.ch\dfs\Applications\Altium\Datasheets\R0402_Phycomp_RC0402.pdf, LatestRevisionDate=17.10.2012, Manufacturer Part Number=R0402_2K4_1%_0.0625W_100PPM, Mounted=Yes, Part Description="General Purpose Thick Film Chip Resistor", Part Number=R0402_2K4_1%_0.0625W_100PPM, Pin Count=2, PressFit=No, Sense=No, SMD=Yes, Socket=No, Status="Not Recommended", TC=±100ppm/°C
R4 R5 R10A R10B R10C R11A R11B R11C R12A R12B R12C R13A R13B R13C R14 R15 R16 R17A R17B R17C R25 R26 R28 R31 R32 R33 R34 R35 R36 R37A R37B R37C R37D R38A R38B R38C R38D R39A R39B R39C R39D R40A R40B R40C R40D R41A R41B R41C R41D R45 R46 R48 R74 R75 R316 R317 R318 R319 R320 R321 R322 R323 R324 R325 R326 R327 R328 R329 R330 R331 R332 R333 R334 R335 R336: library part R0402_10K_1%_0.0625W_100PPM, "Resistor - 1%", Case=0402, Manufacturer=GENERIC, Manufacturer1 ComponentHeight=0.4mm, Manufacturer1 Example="YAGEO PHYCOMP", Manufacturer1 Part Number=232270671003L, Power=0.0625W, Tolerance=±1%, Author="CERN DEM JLC", Component Type=Standard, CreateDate=2007-12-03, HelpURL=\\cern.ch\dfs\Applications\Altium\Datasheets\R0402_Phycomp_RC0402.pdf, LatestRevisionDate=2012-10-17, Manufacturer Part Number=R0402_10K_1%_0.0625W_100PPM, Mounted=Yes, Part Description="General Purpose Thick Film Chip Resistor", Part Number=R0402_10K_1%_0.0625W_100PPM, Pin Count=2, SMD=Yes, Socket=No, Status="Not recommended", Table="Resistors SMD", TC=±100ppm/°C
R6: library part R0402_1K6_1%_0.0625W_100PPM, "Resistor - 1%", Case=0402, Manufacturer=GENERIC, Manufacturer1 ComponentHeight=0.4mm, Manufacturer1 Example="YAGEO PHYCOMP", Manufacturer1 Part Number=232270671602L, Power=0.0625W, Tolerance=±1%, Author="CERN DEM JLC", Component Type=Standard, CreateDate=03.12.2007, HelpURL=\\cern.ch\dfs\Applications\Altium\Datasheets\R0402_Phycomp_RC0402.pdf, LatestRevisionDate=17.10.2012, Manufacturer Part Number=R0402_1K6_1%_0.0625W_100PPM, Mounted=Yes, Part Description="General Purpose Thick Film Chip Resistor", Part Number=R0402_1K6_1%_0.0625W_100PPM, Pin Count=2, PressFit=No, Sense=No, SMD=Yes, Socket=No, Status="Not Recommended", TC=±100ppm/°C
R7 R8 R9 R18A R18B R18C R29A R29B R29C R42A R42B R42C R42D R43A R43B R43C R43D: library part R0603_330R_1%_0.1W_100PPM, "Resistor - 1%", Case=0603, Manufacturer=GENERIC, Manufacturer1 ComponentHeight=0.55mm, Manufacturer1 Example="NIC COMPONENT", Manufacturer1 Part Number=NRC06F3300TRF, Power=0.1W, Tolerance=±1%, Author="CERN DEM JLC", Component Type=Standard, CreateDate=2007-12-03, HelpURL=\\cern.ch\dfs\Applications\Altium\Datasheets\R0603_NIC_NRC.pdf, LatestRevisionDate=2008-03-13, Manufacturer Part Number=R0603_330R_1%_0.1W_100PPM, Mounted=Yes, Part Description="General Purpose Thick Film Chip Resistor", Part Number=R0603_330R_1%_0.1W_100PPM, Pin Count=2, SMD=Yes, Socket=No, Status=Preferred, Table="Resistors SMD", TC=±100ppm/°C
R19 R20 R21 R22: library part R1206_1M_1%_0.25W_100PPM, "Resistor - 1%", Case=1206, Manufacturer=GENERIC, Manufacturer1 ComponentHeight=0.65mm, Manufacturer1 Example="NIC COMPONENT", Manufacturer1 Part Number=NRC12F1004TRF, Power=0.25W, Tolerance=±1%, Author="CERN DEM JLC", Component Type=Standard, CreateDate=2007-12-03, HelpURL=\\cern.ch\dfs\Applications\Altium\Datasheets\R1206_NIC_NRC.pdf, LatestRevisionDate=2008-03-13, Manufacturer Part Number=R1206_1M_1%_0.25W_100PPM, Mounted=Yes, Part Description="General Purpose Thick Film Chip Resistor", Part Number=R1206_1M_1%_0.25W_100PPM, Pin Count=2, SMD=Yes, Socket=No, Status=Preferred, Table="Resistors SMD", TC=±100ppm/°C
R23 R24 R27 R30 R44 R47 R73: library part R0603_0R_JUMPER, "Resistor", Case=0603, Manufacturer=GENERIC, Manufacturer1 ComponentHeight=0.55mm, Manufacturer1 Example="NIC COMPONENT", Manufacturer1 Part Number=NRC06Z0, Author="CERN DEM JLC", Component Type=Standard, CreateDate=03.12.2007, HelpURL=\\cern.ch\dfs\Applications\Altium\Datasheets\R0603_NIC_NRC.pdf, LatestRevisionDate=13.03.2008, Manufacturer Part Number=R0603_0R_JUMPER, Mounted=Yes, Part Description="1A (0.05R Max DC Resistance) Zero Ohm Jumper", Part Number=R0603_0R_JUMPER, Pin Count=2, PressFit=No, Sense=No, SMD=Yes, Socket=No, Status=Preferred
T1 T2: "N-CHANNEL MOSFET WITH DIODE", Case=SOT23-3, Manufacturer="ON SEMICONDUCTOR", Author="CERN DEM JLC", Bonding=No, ComponentHeight=1.11mm, Component Type=Standard, CreateDate=23.03.2009, Device=BSS138LT1G, HelpURL=\\cern.ch\dfs\Applications\Altium\Datasheets\BSS138LT1G.pdf, LatestRevisionDate=23.03.2009, Manufacturer Part Number=BSS138LT1G, Mounted=Yes, PackageDescription="SOT23 3-Leads, Pitch 0.95mm - Body 1.4x3mm, IPC Medium Density", Part Description="50V 200mA N-Channel Enhancement Mode Field-Effect Transistor", Part Number=BSS138LT1G, Pin Count=3, PressFit=No, Sense=No, SMD=Yes, Socket=No
TP1 TP2 TP3 TP4: "Testpoint"
TR1: library part XFMR_MINI-CIRCUITS_TC2-1TX+, "50 Ohm 3 to 300MHz RF Transformers", Manufacturer=MINI-CIRCUITS, Manufacturer Part Number=TC2-1TX+, HelpURL=https://ww2.minicircuits.com/pdfs/TC2-1TX+.pdf

## Free pads (board coordinates)
  round 3.5 hole 2.7: 0(160.4,-34.4)
  round 1.524 hole 2.7 unplated: 1(177.25,108.5)
  rect 10x1 smd paste-2540 mask+0.254: ESD_STRIP_SEGMENT_1(44.899,-35.925) ESD_STRIP_SEGMENT_2(31.899,-35.925)
  rect 10x1 smd far side paste-2540 mask+0.254: ESD_STRIP_SEGMENT_1(44.899,-35.925) ESD_STRIP_SEGMENT_2(31.899,-35.912)
  rect 107.14x1 smd paste-2540 mask+0.254: ESD_STRIP_SEGMENT_3(106.47,-35.925)
  rect 107.14x1 smd far side paste-2540 mask+0.254: ESD_STRIP_SEGMENT_3(106.477,-35.941)

## Via types
v1: diameter 0.5, hole 0.2, L1 to L4, tented both sides, 260 vias
v2: diameter 0.6, hole 0.4, L1 to L4, tented both sides, 124 vias
v3: diameter 0.8, hole 0.6, L1 to L4, tented both sides, 120 vias
v4: diameter 0.3, hole 0.1, L1 to L4, tented both sides, 38 vias
v5: diameter 0.6, hole 0.4, L1 to L4, 5 vias
v6: diameter 0.66, hole 0.33, L1 to L4, tented both sides, 4 vias
v7: diameter 0.8, hole 0.4, L1 to L4, 2 vias

## Nets (pads, with @x,y where several pads share a name; then routed paths per layer and width w, separated by ;. In a path a pad name is that pad's centre, name@x,y a point inside that pad or via, vN(x,y) a via of type N, cw(c..) or ccw(c..) an arc to the next point about the centre after c; other vN are vias at no path point)
ADC1_SYNC_N: J2.A6 J8.B7 | length 107.1
  L1 w0.117: J8.B7@24.8,11.15 24.162,10.512 24.162,10.389 24.594,9.957 38.241,9.957 39.568,11.284 39.568,25.477 39.776,25.685 v1(39.776,26.06)
  L4 w0.117: J2.A6@0,62.35 0.638,61.712 0.638,61.519 0.308,61.189 -0.451,61.189 -0.968,60.672 -0.968,60.26 -0.974,60.254 -0.974,58.85 -0.574,58.45 12.898,58.45 15.184,56.164 35.301,56.164 40.541,50.924 40.541,26.45 40.152,26.06 v1(39.776,26.06)
ADC1_SYNC_P: J2.B6 J8.A7 | length 107.8
  L1 w0.117: J8.A7@23.3,11.15 23.938,10.512 23.938,10.296 24.501,9.733 38.334,9.733 39.792,11.192 39.792,25.384 39.934,25.527 v1(40.31,25.527)
  L4 w0.117: J2.B6@1.5,62.35 0.862,61.712 0.862,61.426 0.401,60.965 -0.358,60.965 -0.744,60.579 -0.744,60.167 -0.751,60.161 -0.751,58.943 -0.482,58.674 12.991,58.674 15.277,56.388 35.394,56.388 40.765,51.017 40.765,26.357 40.31,25.902 v1(40.31,25.527)
ADC2_SYNC_N: J2.A5 J8.B8 | length 115.6
  L1 w0.117: J2.A5@0,59.85 0.638,59.212 0.638,58.928 0.132,58.422 -0.444,58.422 -0.446,58.42 -0.641,58.42 -1.062,57.999 -1.062,56.6 -0.067,55.606 13.127,55.606 14.448,54.285 33.802,54.285 39.091,48.997 39.091,42.508 46.538,35.061 46.538,20.934 47.066,20.406 47.066,11.34 v1(46.852,11.125)
  L4 w0.117: J8.B8@24.8,8.65 23.952,7.802 23.952,7.657 24.116,7.493 43.891,7.493 47.066,10.668 47.066,10.911 v1(46.852,11.125)
ADC2_SYNC_P: J2.B5 J8.A8 | length 116.2
  L1 w0.117: J2.B5@1.5,59.85 0.862,59.212 0.862,58.835 0.225,58.198 -0.351,58.198 -0.353,58.196 -0.548,58.196 -0.838,57.906 -0.838,56.693 0.025,55.829 13.219,55.829 14.54,54.508 33.895,54.508 39.314,49.089 39.314,42.601 46.762,35.153 46.762,21.026 47.29,20.498 47.29,11.34 v1(47.504,11.125)
  L4 w0.117: J8.A8@23.3,8.65 23.3,8.226 23.729,7.798 23.729,7.564 24.023,7.269 43.984,7.269 47.29,10.575 47.29,10.911 v1(47.504,11.125)
CLKA_N: J2.B3 J8.B1 | length 72.2
  L4 w0.117: J2.B3@1.5,54.85 0.862,54.212 0.862,53.625 3.803,53.625 4.003,53.425 31.277,53.425 35.916,48.786 35.916,28.65 35.266,28 25.162,28 24.162,27 24.162,26.788 J8.B1@24.8,26.15
CLKA_P: J2.A3 J8.A1 | length 72.2
  L4 w0.117: J2.A3@0,54.85 0.638,54.212 0.638,53.532 0.769,53.401 3.71,53.401 3.91,53.201 31.184,53.201 35.692,48.693 35.692,28.742 35.174,28.224 25.069,28.224 23.938,27.093 23.938,26.788 J8.A1@23.3,26.15
CLKB_N: J4.B1 J8.B2 | length 110.3
  L1 w0.117: v1(16.358,57.683) 16.35,57.683 16.126,57.906 16.126,60.119 v1(16.358,60.35)
  L4 w0.117: J4.B1@1.5,74.85 0.862,74.212 0.862,73.684 0.326,73.148 -0.331,73.148 -0.798,72.681 -0.798,64.247 -0.305,63.754 14.616,63.754 16.124,62.246 16.124,60.528 16.302,60.35 v1(16.358,60.35) ; v1(16.358,57.683) 16.408,57.633 16.408,57.074 16.485,56.998 18.466,56.998 18.847,57.379 35.673,57.379 41.829,51.223 41.829,24.317 40.809,23.297 37.717,23.297 36.237,24.776 24.3,24.776 24.194,24.67 24.194,24.573 24.208,24.56 24.208,24.126 24.684,23.65 J8.B2@24.8,23.65
CLKB_P: J4.A1 J8.A2 | length 110.5
  L1 w0.117: v1(15.672,57.683) 15.68,57.683 15.903,57.906 15.903,60.119 v1(15.672,60.35)
  L4 w0.117: J4.A1@0,74.85 0.638,74.212 0.638,73.777 0.234,73.372 -0.423,73.372 -1.022,72.773 -1.022,64.155 -0.397,63.53 14.524,63.53 15.9,62.154 15.9,60.528 15.723,60.35 v1(15.672,60.35) ; v1(15.672,57.683) 16.185,57.17 16.185,56.981 16.392,56.774 18.558,56.774 18.939,57.155 35.58,57.155 41.605,51.13 41.605,24.409 40.716,23.52 37.809,23.52 36.33,25 24.208,25 23.848,24.64 23.848,24.245 23.3,23.698 J8.A2@23.3,23.65
EABLEn: IC14.11 R14.2 T1.1 | length 17
  L4 w0.152: T1.1@70.086,-10.439 70.086,-9.558 70.002,-9.474 64.897,-9.474 64.541,-9.83 64.541,-13.03 65.825,-14.314 IC14.11@68.086,-14.314 69.011,-14.314 69.812,-13.513 70.544,-13.513 R14.2@70.768,-13.289
ESD1: pad.ESD_STRIP_SEGMENT_2@31.899,-35.925 R19.1 | length 1.5
  L1 w0.152: 32,-32.5 R19.1@33.473,-32.5
ESD2: pad.ESD_STRIP_SEGMENT_1@44.899,-35.925 R20.2 R21.1 | length 3.5
  L1 w0.152: R20.2@40.987,-32.5 R21.1@44.506,-32.5
FPGA_ADC_SYSREF_N: J4.B3
FPGA_ADC_SYSREF_P: J4.A3
FPGA_CFG_CCLK: J4.A10
FPGA_CFG_DIN: J4.B10
FPGA_CFG_DONE: J4.A9
FPGA_CFG_INIT_B: J4.B8
FPGA_CFG_PROGRAM_B: J4.B9
FPGA_DAC_SYSREF_N: J4.B2
FPGA_DAC_SYSREF_P: J4.A2
GND: C1.1 C2.1 C3.1 C4.1 C5.2 C6.1 C7.1 C8.1 C11.1 C12A.2 C12B.2 C12C.2 C12D.2 C13A.2 C13B.2 C13C.2 C13D.2 C14A.2 C14B.2 C14C.2 C14D.2 C15A.1 C15B.1 C15C.1 C15D.1 C18.1 C19.1 C20A.2 C20B.2 C20C.2 C20D.2 C21.2 C22A.2 C22B.2 C22C.2 C22D.2 C23A.2 C23B.2 C23C.2 C23D.2 C24A.2 C24B.2 C24C.2 C24D.2 C25.2 C26.2 C27.2 C29.2 C33A.2 C33B.2 C33C.2 C34A.2 C34B.2 C34C.2 C35A.2 C35B.2 C35C.2 C36A.1 C36B.1 C36C.1 C37A.1 C37B.1 C37C.1 C38A.2 C38B.2 C38C.2 C39A.2 C39B.2 C39C.2 C40A.2 C40B.2 C40C.2 C41A.2 C41B.2 C41C.2 C42A.2 C42B.2 C42C.2 C43A.2 C43B.2 C43C.2 C44A.2 C44B.2 C44C.2 C402.1 Cage1.1 Cage1.2 Cage1.3 Cage1.4 Cage1.5 Cage1.6 Cage1.7 Cage1.8 Cage1.9 Cage1.10 Cage1.11 Cage1.12 Cage1.13 Cage1.14 Cage1.15 Cage1.16 Cage1.17 Cage1.18 Cage1.19 Cage1.20 Cage1.21 Cage1.22 Cage1.23 Cage2.1 Cage2.2 Cage2.3 Cage2.4 Cage2.5 Cage2.6 Cage2.7 Cage2.8 Cage2.9 Cage2.10 Cage2.11 Cage2.12 Cage2.13 Cage2.14 Cage2.15 Cage2.16 Cage2.17 Cage2.18 Cage2.19 Cage2.20 Cage2.21 Cage2.22 Cage2.23 Cage2.24 Cage2.25 Cage2.26 Cage2.27 Cage2.28 Cage2.29 Cage2.30 Cage2.31 Cage2.32 Cage2.33 Cage2.34 Cage2.35 Cage2.36 Cage2.37 Cage2.38 Cage2.39 Cage2.40 Cage2.41 Cage2.42 Cage2.43 Cage2.44 Cage2.45 Cage2.46 CON1A.1 CON1A.10 CON1A.11 CON1A.14 CON1A.17 CON1A.20 CON1B.1 CON1B.10 CON1B.11 CON1B.14 CON1B.17 CON1B.20 CON1C.1 CON1C.10 CON1C.11 CON1C.14 CON1C.17 CON1C.20 CON1D.1 CON1D.10 CON1D.11 CON1D.14 CON1D.17 CON1D.20 IC1.26 IC1.31 IC1.35 IC1.42 IC1.45 IC1.53 IC1.54 IC2A.1 IC2A.3 IC2A.8 IC2B.1 IC2B.3 IC2B.8 IC2C.1 IC2C.3 IC2C.8 IC3A.1 IC3A.3 IC3A.8 IC3B.1 IC3B.3 IC3B.8 IC3C.1 IC3C.3 IC3C.8 IC3D.1 IC3D.3 IC3D.8 IC4.4 IC4.7 IC6.4 IC8.4 IC10.2 IC10.3 IC10.4 IC14.1 IC14.2 IC14.3 IC14.8 IC39.9 IC39.25 J1.1 J2.BG1 J2.BG2 J2.BG3 J2.BG4 J2.BG5 J2.BG6 J2.BG7 J2.BG8 J2.BG9 J2.BG10 J2.C1 J2.DG1 J2.DG2 J2.DG3 J2.DG4 J2.DG5 J2.DG6 J2.DG7 J2.DG8 J2.DG9 J2.DG10 J2.FG1 J2.FG2 J2.FG3 J2.FG4 J2.FG5 J2.FG6 J2.FG7 J2.FG8 J2.FG9 J2.FG10 J4.BG1 J4.BG2 J4.BG3 J4.BG4 J4.BG5 J4.BG6 J4.BG7 J4.BG8 J4.BG9 J4.BG10 J4.DG1 J4.DG2 J4.DG3 J4.DG4 J4.DG5 J4.DG6 J4.DG7 J4.DG8 J4.DG9 J4.DG10 J4.FG1 J4.FG2 J4.FG3 J4.FG4 J4.FG5 J4.FG6 J4.FG7 J4.FG8 J4.FG9 J4.FG10 J5A.1 J5A.4 J5A.7 J5A.13 J5A.16 J5A.19 J5A.20 J5A.23 J5A.26 J5A.32 J5A.35 J5A.38 J5B.1 J5B.4 J5B.7 J5B.13 J5B.16 J5B.19 J5B.20 J5B.23 J5B.26 J5B.32 J5B.35 J5B.38 J5C.1 J5C.4 J5C.7 J5C.13 J5C.16 J5C.19 J5C.20 J5C.23 J5C.26 J5C.32 J5C.35 J5C.38 J8.AB1 J8.AB2 J8.AB3 J8.AB4 J8.AB5 J8.AB6 J8.AB7 J8.AB8 J8.AB9 J8.AB10 J8.CD1 J8.CD2 J8.CD3 J8.CD4 J8.CD5 J8.CD6 J8.CD7 J8.CD8 J8.CD9 J8.CD10 J8.EF1 J8.EF2 J8.EF3 J8.EF4 J8.EF5 J8.EF6 J8.EF7 J8.EF8 J8.EF9 J8.EF10 pad.0 pad.ESD_STRIP_SEGMENT_3 PB1.3 PB1.4 R2.1 R3.1 R22.2 R25.1 R26.1 R30.1 R33.1 R41A.1 R41B.1 R41C.1 R41D.1 R47.1 R48.1 R75.1 R326.1 R327.1 T1.2 T2.2 TR1.2 TR1.6 | length 310
  L1 w0.254: C26.2@36.507,-28.872 36.507,-29.66 v2(36.449,-29.718) 37.125,-29.718 R33.1@37.327,-29.92 ; IC8.4@42.325,-26.299 42.325,-25.816 42.565,-25.576 R30.1@42.565,-24.706 43.385,-24.706 v2(43.4,-24.721) ; R22.2@52.5,-32.45 R22.2@52.45,-32.5 52.45,-35.65 52.725,-35.925 pad.ESD_STRIP_SEGMENT_3@106.47,-35.925 ; C44B.2@124.774,0.55 125.468,0.55 v2(125.518,0.6) ; C44A.2@124.816,19.476 124.939,19.6 v2(125.518,19.6) ; C44C.2@124.866,-18.497 125.421,-18.497 v2(125.518,-18.4) ; v2(125.518,-23.2) 125.57,-23.148 C42C.2@125.57,-22.473 ; v2(125.518,-4.2) 125.552,-4.166 C42B.2@125.552,-3.474 ; v2(125.518,14.8) 125.552,14.834 C42A.2@125.552,15.525 ; C34C.2@130.203,-19.767 130.682,-19.287 v2(130.682,-18.8) ; C34B.2@130.479,-0.463 130.82,-0.121 130.682,0.017 v2(130.682,0.2) ; C34A.2@130.516,18.333 130.682,18.5 v2(130.682,19.2) ; v2(131.063,11.405) v2@131.242,11.405 ; v1(136.913,81.675) 137.185,81.675 137.635,82.125 C24D.2@138.25,82.125 139.577,82.125 v1(139.777,81.925) ; v1(136.929,53.431) 137.123,53.625 C24B.2@138.25,53.625 ; v1(137.135,67.869) 137.141,67.875 C24C.2@138.25,67.875 ; C24A.2@138.25,96.375 v1(139.867,96.375) ; C33C.2@138.582,-19.142 139.76,-19.142 v2(139.776,-19.126) ; C33B.2@138.582,-0.142 139.454,-0.142 v2(139.709,-0.142) ; C33A.2@138.582,18.858 139.454,18.858 v2(139.709,18.858) ; C41C.2@138.76,-25.514 139.943,-25.514 v2(139.954,-25.503) ; C41B.2@138.76,-6.514 139.943,-6.514 v2(139.954,-6.503) ; C41A.2@138.76,12.486 139.943,12.486 v2(139.954,12.497) ; C13B.2@139.2,51.05 139.2,51.087 139.66,50.627 v1(139.66,50.296) ; C13C.2@139.2,65.3 139.66,64.84 v1(139.66,64.546) ; C13D.2@139.2,79.55 139.66,79.09 v1(139.66,78.796) ; C13A.2@139.2,93.8 139.66,93.34 v1(139.66,93.046) ; C43C.2@139.548,-14.824 v2(139.548,-13.845) ; C43B.2@139.548,4.176 v2(139.548,5.155) ; C43A.2@139.548,23.176 v2(139.548,24.155) ; C23B.2@141,54.2 v1(142.077,54.2) ; C23C.2@141,68.45 v1(142.077,68.45) ; C23D.2@141,82.7 v1(142.077,82.7) ; C23A.2@141,96.95 v1(142.077,96.95) ; C40C.2@142.951,-16.715 143.002,-16.664 v2(143.002,-16.156) ; C40B.2@142.951,2.285 143.002,2.336 v2(143.002,2.844) ; C40A.2@142.951,21.285 143.002,21.336 v2(143.002,21.844) ; v2(142.977,-26.138) 143.002,-26.164 C38C.2@143.002,-25.421 ; v2(142.977,-7.138) 143.002,-7.164 C38B.2@143.002,-6.421 ; v2(142.977,11.862) 143.002,11.836 C38A.2@143.002,12.579 ; C35C.2@144.924,-18.533 144.924,-17.536 v2(144.932,-17.528) ; C35B.2@144.924,0.467 144.924,1.464 v2(144.932,1.472) ; C35A.2@144.924,19.467 144.924,20.464 v2(144.932,20.472) ; R327.1@145,41.117 146.71,41.117 147.248,41.117 147.35,41.015 C402.1@147.35,40.35 ; C36C.1@146.753,-18.709 147.424,-18.709 v2(147.68,-18.709) ; C36B.1@146.753,0.291 147.424,0.291 v2(147.68,0.291) ; C36A.1@146.753,19.291 147.424,19.291 v2(147.68,19.291) ; IC39.9@146.96,33.805 146.96,35.605 IC39.25@147.21,35.855 ; v2(148.978,71.12) 148.996,71.139 R26.1@148.996,70.249 ; v1(150.578,65.384) 151.137,65.384 151.164,65.411 151.2,65.446 151.486,65.16 C12C.2@151.45,65.125 ; C12B.2@151.45,50.875 v1(151.45,51.952) ; C12D.2@151.45,79.375 v1(151.45,80.452) ; C12A.2@151.45,93.625 v1(151.45,94.702) ; C21.2@152.393,75.209 152.393,75.855 v2(152.469,75.931) ; C37C.1@154.394,-25.351 154.394,-24.68 v2(154.394,-24.424) ; C37B.1@154.394,-6.351 154.394,-5.68 v2(154.394,-5.424) ; C37A.1@154.394,12.649 154.394,13.32 v2(154.394,13.576) ; v2(154.667,73.848) IC6.4@155.794,73.848 ; R25.1@154.73,75.286 154.73,75.691 155,75.962 v2(155,76.098) ; v2(154.9,-14.6) 155.011,-14.6 154.9,-14.711 C39C.2@154.9,-15.15 ; v2(154.9,4.4) 155.011,4.4 154.9,4.289 C39B.2@154.9,3.85 ; v2(154.9,23.4) 155.011,23.4 154.9,23.289 C39A.2@154.9,22.85 ; IC2C.1@155.025,-23.25 v2(155.025,-22.073) ; IC2B.1@155.025,-4.25 v2(155.025,-3.073) ; IC2A.1@155.025,14.75 v2(155.025,15.927) ; C14B.2@155.05,50.95 155.05,49.877 v1(155.1,49.827) C15B.1@155.1,48.95 ; C14C.2@155.05,65.2 155.05,64.127 v1(155.1,64.077) C15C.1@155.1,63.2 ; C14D.2@155.05,79.45 155.05,79.3 155.85,78.5 v2(155.987,78.5) ; C14A.2@155.05,93.7 156.065,92.685 v2(156.21,92.685) ; C15D.1@155.1,77.45 v1(155.1,78.327) ; C15A.1@155.1,91.7 v1(155.1,92.577) ; IC2C.3@156.325,-23.25 v2(156.325,-22.073) ; IC2B.3@156.325,-4.25 v2(156.325,-3.073) ; IC2A.3@156.325,14.75 v2(156.325,15.927) ; v1(156.489,69.266) 156.56,69.266 156.5,69.206 C22C.2@156.5,68.7 ; C22B.2@156.5,54.45 156.5,54.956 157.168,55.624 v1(157.168,55.787) ; C22D.2@156.5,82.95 156.508,82.95 v1(156.997,83.439) ; C22A.2@156.5,97.2 156.5,97.706 v1(156.631,97.837) ; IC2C.8@159.575,-23.825 IC2C.8@159.575,-23.25 160.15,-23.25 v2(160.2,-23.2) ; IC2B.8@159.575,-4.825 IC2B.8@159.575,-4.25 160.15,-4.25 v2(160.2,-4.2) ; IC2A.8@159.575,14.175 IC2A.8@159.575,14.75 160.15,14.75 v2(160.2,14.8) ; v2(161.489,55.45) 162.06,55.45 162.56,54.95 IC3B.8@163.175,54.95 ; v2(161.489,69.7) 162.06,69.7 162.56,69.2 IC3C.8@163.175,69.2 ; v2(161.489,83.95) 162.06,83.95 162.56,83.45 IC3D.8@163.175,83.45 ; v2(161.489,98.2) 162.06,98.2 162.56,97.7 IC3A.8@163.175,97.7 ; v2(162.687,-3.404) 162.713,-3.429 C29.2@162.713,-4.235 162.838,-4.11 IC4.7@164.193,-4.11 ; v2(164.389,-6.274) 164.44,-6.325 R48.1@165.107,-6.325 ; v2(164.704,58.217) 164.749,58.172 R41B.1@164.749,57.517 ; v2(164.704,72.467) 164.749,72.422 R41C.1@164.749,71.767 ; v2(164.704,100.967) 164.749,100.922 R41A.1@164.749,100.267 ; R41D.1@164.749,86.017 164.749,86.712 v2(164.905,86.868) ; v1(166.425,53.823) IC3B.3@166.425,54.95 ; v1(166.425,68.073) IC3C.3@166.425,69.2 ; v1(166.425,82.323) IC3D.3@166.425,83.45 ; v1(166.425,96.573) IC3A.3@166.425,97.7 ; v1(167.725,53.823) IC3B.1@167.725,54.95 ; v1(167.725,68.073) IC3C.1@167.725,69.2 ; v1(167.725,82.323) IC3D.1@167.725,83.45 ; v1(167.725,96.573) IC3A.1@167.725,97.7 ; C20B.2@168,56.5 168,55.994 168.668,55.326 v1(168.668,55.163) ; C20C.2@168,70.75 168,70.244 168.668,69.576 v1(168.668,69.413) ; C20D.2@168,85 v1(168.757,85) ; C20A.2@168,99.25 168,98.744 168.668,98.076 v1(168.668,97.913) ; IC4.4@168.593,-2.81 168.593,-1.32 R47.1@168.669,-1.245 v2(169.926,-1.245)